# Altium PCB RTD_12POS_WPSv2.PcbDoc (part 2 of 2) (continued)
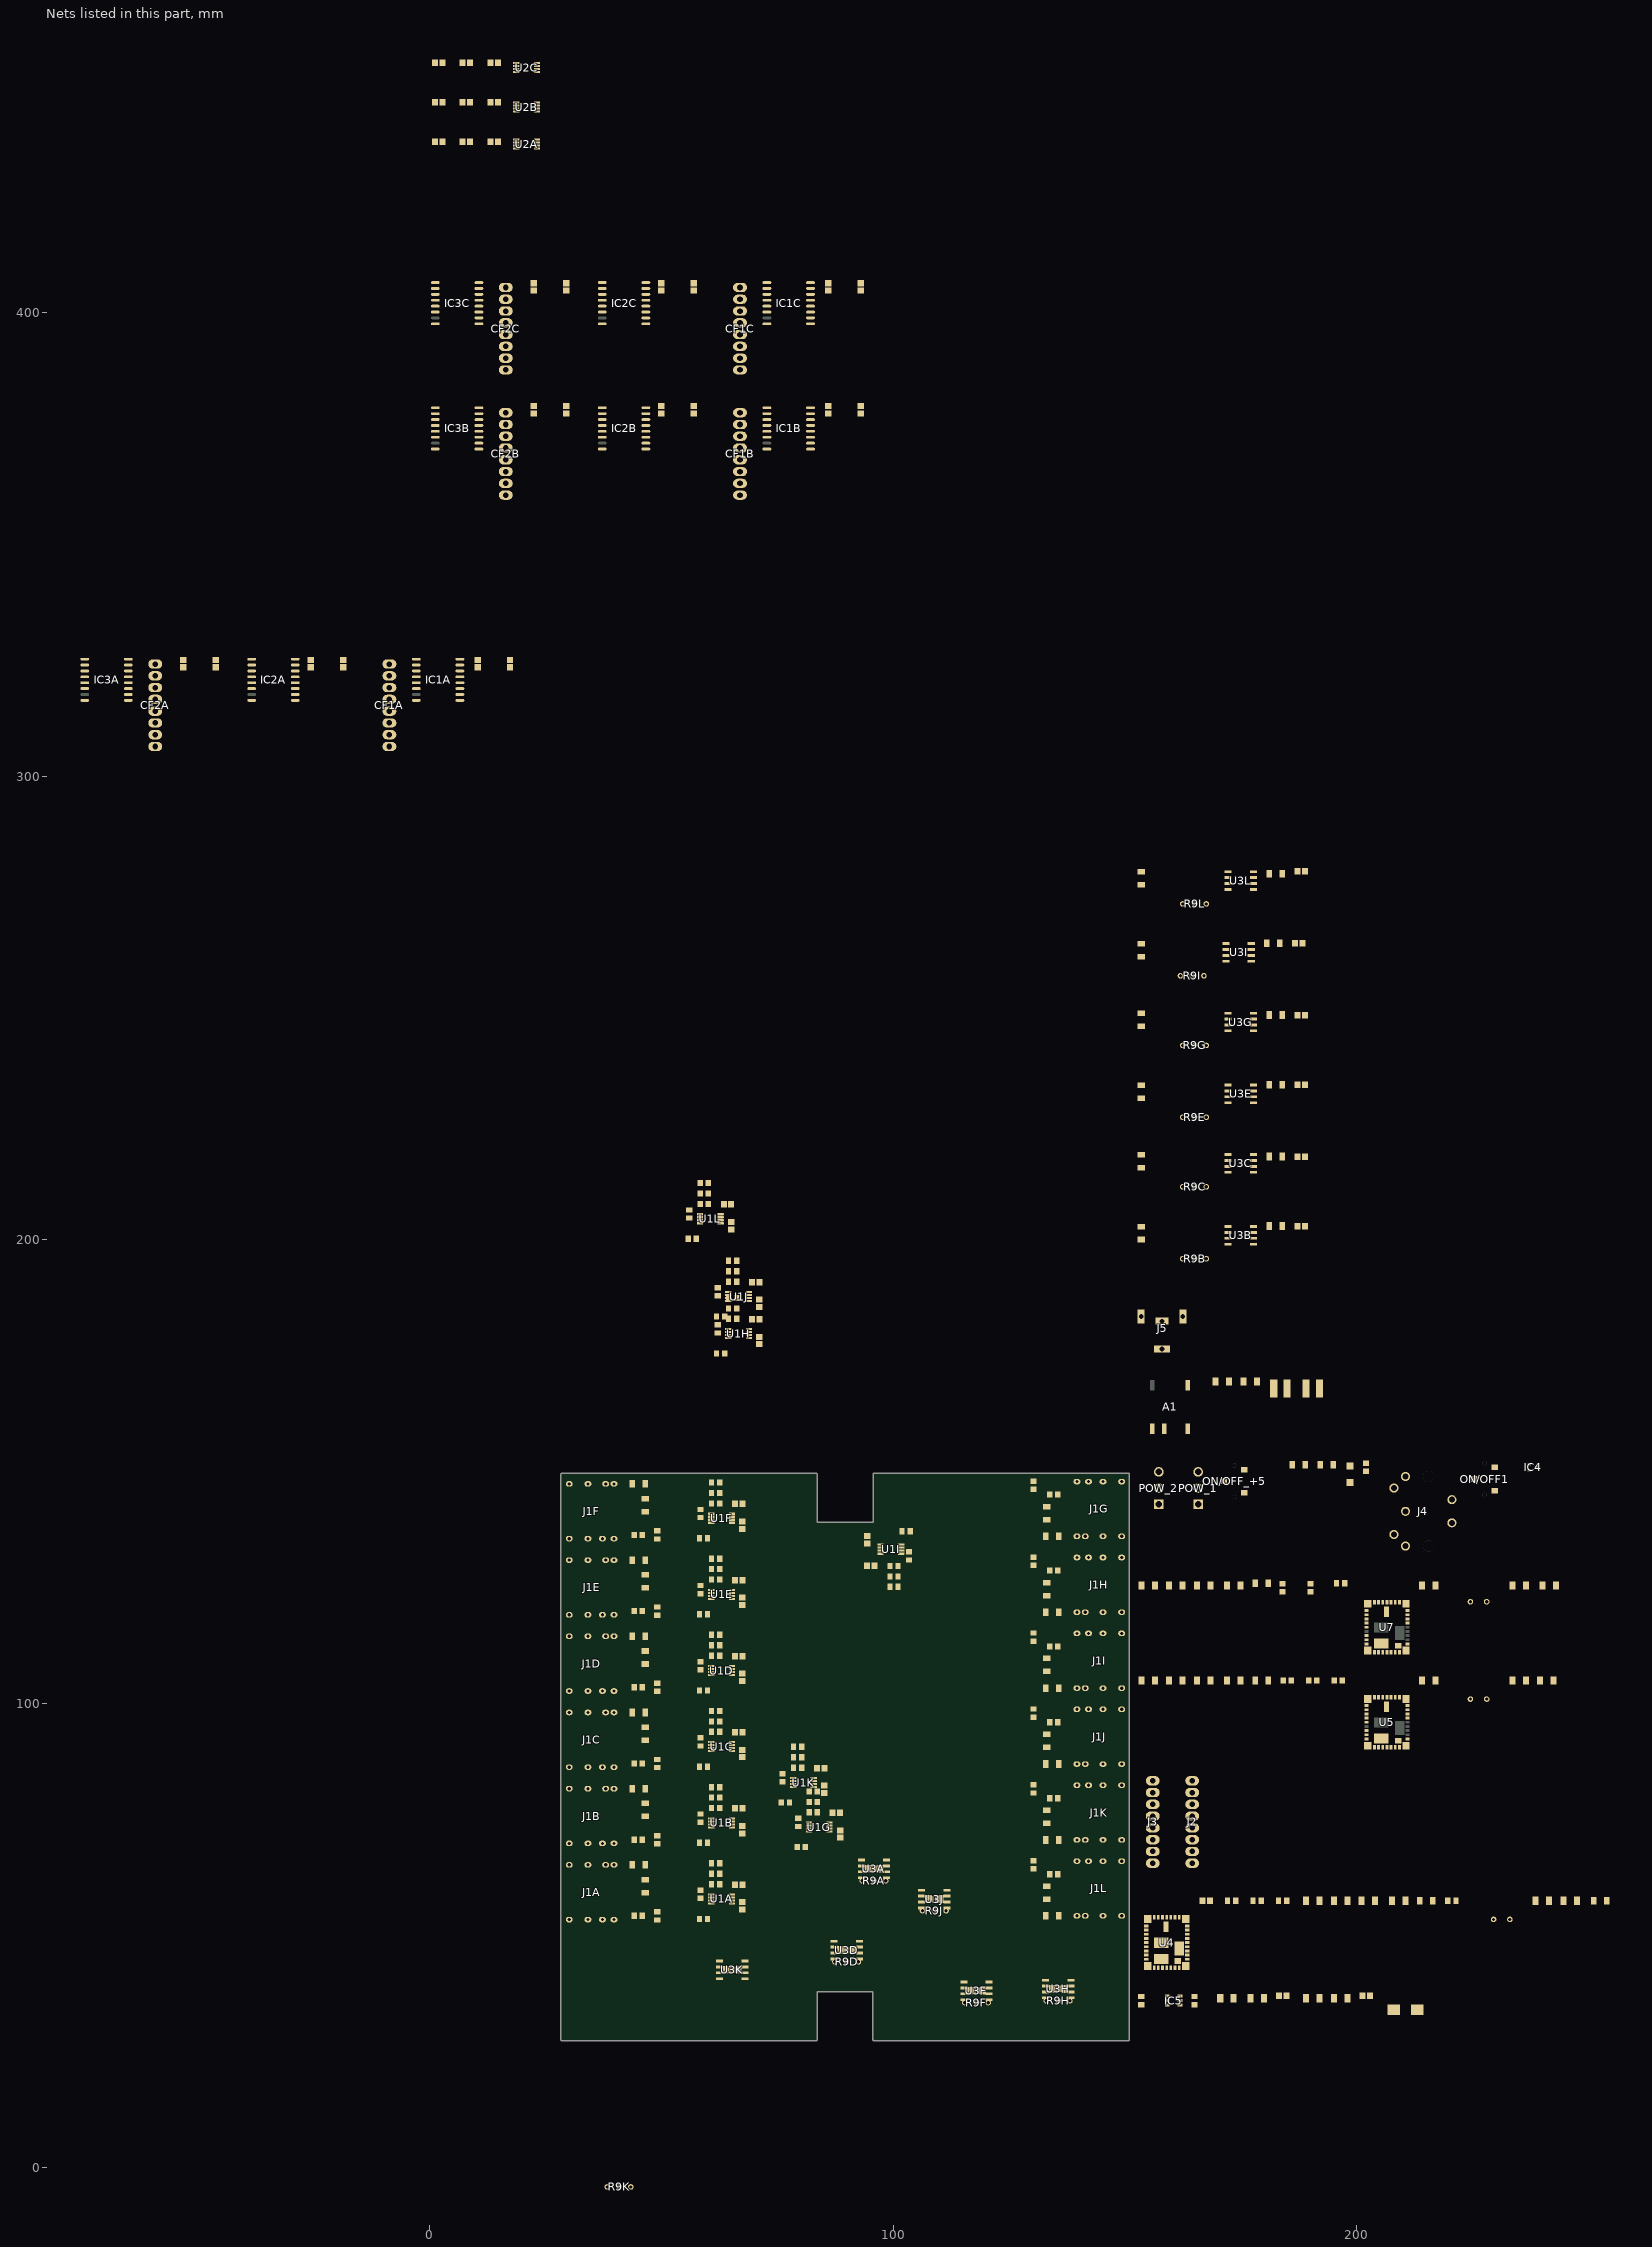
[diagram p2: the nets of this part, all layers, seen from the top]
## Part data (continued)
R4A R4B R4C R4D R4E R4F R4G R4H R4I R4J R4K R4L: library part ERA-6AEB1070V, "RES SMD 107 OHM 0.1% 1/8W 0805", Device Package="0805 (2012 Metric)", Manufacturer="Panasonic Electronic Components", PowerRating="0.125W, 1/8W", Supplier Part Number 1=P107DATR-ND, TemperatureCoefficient=25ppm/C, TemperatureRange="-55C ~ 155C", Tolerance=0.1%, ComponentLink1Description=Datasheet, ComponentLink1URL=http://industrial.panasonic.com/lecs/www-data/pdf/AOA0000/AOA0000CE26.pdf, ComponentLink2Description="Digi-Key listing", ComponentLink2URL=http://digikey.com/product-detail/en/ERA-6AEB1070V/P107DATR-ND/2025576, Part Number=ERA-6AEB1070V, PartId=2810, Price=0.0653, Supplier 1=Digi-Key, Type="Thin Film"
R5A R5B R5C R5D R5E R5F R5G R5H R5I R5J R5K R5L: library part ERA-6AEB1022V, "RES SMD 10.2K OHM 0.1% 1/8W 0805", Device Package="0805 (2012 Metric)", Manufacturer="Panasonic Electronic Components", PowerRating="0.125W, 1/8W", Supplier Part Number 1=P10.2KDATR-ND, TemperatureCoefficient=25ppm/C, TemperatureRange="-55C ~ 155C", Tolerance=0.1%, ComponentLink1Description=Datasheet, ComponentLink1URL=http://industrial.panasonic.com/lecs/www-data/pdf/AOA0000/AOA0000CE26.pdf, ComponentLink2Description="Digi-Key listing", ComponentLink2URL=http://digikey.com/product-detail/en/ERA-6AEB1022V/P10.2KDATR-ND/2025754, Part Number=ERA-6AEB1022V, PartId=2668, Price=0.0653, Supplier 1=Digi-Key, Type="Thin Film"
R6A R6B R6C R6D R6E R6F R6G R6H R6I R6J R6K R6L R7A R7B R7C R7D R7E R7F R7G R7H R7I R7J R7K R7L R14 R15: library part ERJ-6ENF1582V, "RES SMD 15.8K OHM 1% 1/8W 0805", Device Package="0805 (2012 Metric)", Manufacturer="Panasonic Electronic Components", PowerRating="0.125W, 1/8W", Supplier Part Number 1=P15.8KCTR-ND, TemperatureCoefficient=100ppm/C, TemperatureRange="-55C ~ 155C", Tolerance=1%, ComponentLink1Description=Datasheet, ComponentLink1URL=http://industrial.panasonic.com/www-cgi/jvcr13pz.cgi?E+PZ+3+AOA0002+ERJ6ENF1582V+7+WW, ComponentLink2Description="Digi-Key listing", ComponentLink2URL=http://digikey.com/product-detail/en/ERJ-6ENF1582V/P15.8KCTR-ND/6419, Part Number=ERJ-6ENF1582V, PartId=2101, Price=0.0073, Supplier 1=Digi-Key, Type="Thick Film"
R8A R8B R8C R8D R8E R8F R8G R8H R8I R8J R8K R8L R30: library part ERJ-8ENF1001V, "RES SMD 1K OHM 1% 1/4W 1206", Device Package="1206 (3216 Metric)", Manufacturer="Panasonic Electronic Components", PowerRating="0.25W, 1/4W", Supplier Part Number 1=P1.00KFTR-ND, TemperatureCoefficient=100ppm/C, TemperatureRange="-55C ~ 155C", Tolerance=1%, ComponentLink1Description=Datasheet, ComponentLink1URL=http://industrial.panasonic.com/www-cgi/jvcr13pz.cgi?E+PZ+3+AOA0002+ERJ8ENF1001V+7+WW, ComponentLink2Description="Digi-Key listing", ComponentLink2URL=http://digikey.com/product-detail/en/ERJ-8ENF1001V/P1.00KFTR-ND/86206, Part Number=ERJ-8ENF1001V, PartId=2958, Price=0.0093, Supplier 1=Digi-Key, Type="Thick Film"
R9A R9B R9C R9D R9E R9F R9G R9H R9I R9J R9K R9L: library part 91AR20KLF, "TRIMMER 20K OHM 3/8\" CERMET TH", Manufacturer="TT Electronics/BI", PowerRating="0.5W, 1/2W", Supplier Part Number 1=987-1170-ND, Tolerance=20%, Adjustment Type="Top Adjustment", ComponentLink1Description=Datasheet, ComponentLink1URL=http://www.bitechnologies.com/pdfs/91.pdf, ComponentLink2Description="Digi-Key Listing", ComponentLink2URL=http://www.digikey.ca/product-detail/en/91AR20KLF/987-1170-ND/2408748, Number Of Turns=Single, Part Number=91AR20KLF, PartId=7167, Price=2.25, Supplier 1=Digi-Key, Type="Through Hole"
R10A R10B R10C R10D R10E R10F R10G R10H R10I R10J R10K R10L: library part ERJ-8GEYJ514V, "RES SMD 510K OHM 5% 1/4W 1206", Device Package="1206 (3216 Metric)", Manufacturer="Panasonic Electronic Components", PowerRating="0.25W, 1/4W", Supplier Part Number 1=P510KETR-ND, TemperatureCoefficient=200ppm/C, TemperatureRange="-55C ~ 155C", Tolerance=5%, ComponentLink1Description=Datasheet, ComponentLink1URL=http://industrial.panasonic.com/www-cgi/jvcr13pz.cgi?E+PZ+3+AOA0001+ERJ8GEYJ514V+7+WW, ComponentLink2Description="Digi-Key Listing", ComponentLink2URL=https://www.digikey.com/product-detail/en/panasonic-electronic-components/ERJ-8GEYJ514V/P510KETR-ND/21336, Part Number=ERJ-8GEYJ514V, PartId=11855, Price=0.0045, Supplier 1=Digi-Key
R11 R20 R24 R27A R27B R27C R27D R27E R27F R27G R27H R27I R27J R27K R27L R28A R28B R28C R28D R28E R28F R28G R28H R28I R28J R28K R28L R31: library part ERJ-8GEY0R00V, "RES SMD 0.0 OHM JUMPER 1/4W 1206", Device Package="1206 (3216 Metric)", Manufacturer="Panasonic Electronic Components", PowerRating="0.25W, 1/4W", Supplier Part Number 1=P0.0ETR-ND, TemperatureRange="-55C ~ 155C", Tolerance=Jumper, ComponentLink1Description=Datasheet, ComponentLink1URL=http://industrial.panasonic.com/www-cgi/jvcr13pz.cgi?E+PZ+3+AOA0001+ERJ8GEY0R00V+7+WW, ComponentLink2Description="Digi-Key Listing", ComponentLink2URL=https://www.digikey.com/product-detail/en/panasonic-electronic-components/ERJ-8GEY0R00V/P0.0ETR-ND/27495, Part Number=ERJ-8GEY0R00V, PartId=16165, Price=0.0067, Supplier 1=Digi-Key
R12 R17 R21: library part ERJ-6ENF1743V, "RES SMD 174K OHM 1% 1/8W 0805", Device Package="0805 (2012 Metric)", Manufacturer="Panasonic Electronic Components", PowerRating="0.125W, 1/8W", Supplier Part Number 1=P174KCTR-ND, TemperatureCoefficient=100ppm/C, TemperatureRange="-55C ~ 155C", Tolerance=1%, ComponentLink1Description=Datasheet, ComponentLink1URL=http://industrial.panasonic.com/www-cgi/jvcr13pz.cgi?E+PZ+3+AOA0002+ERJ6ENF1743V+7+WW, ComponentLink2Description="Digi-Key listing", ComponentLink2URL=http://digikey.com/product-detail/en/ERJ-6ENF1743V/P174KCTR-ND/111921, Part Number=ERJ-6ENF1743V, PartId=2344, Price=0.0073, Supplier 1=Digi-Key, Type="Thick Film"
R13: library part ERJ-8ENF2673V, "RES SMD 267K OHM 1% 1/4W 1206", Device Package="1206 (3216 Metric)", Manufacturer="Panasonic Electronic Components", PowerRating="0.25W, 1/4W", Supplier Part Number 1=P267KFTR-ND, TemperatureCoefficient=100ppm/C, TemperatureRange="-55C ~ 155C", Tolerance=1%, ComponentLink1Description=Datasheet, ComponentLink1URL=http://industrial.panasonic.com/www-cgi/jvcr13pz.cgi?E+PZ+3+AOA0002+ERJ8ENF2673V+7+WW, ComponentLink2Description="Digi-Key listing", ComponentLink2URL=http://digikey.com/product-detail/en/ERJ-8ENF2673V/P267KFTR-ND/89429, Part Number=ERJ-8ENF2673V, PartId=3280, Price=0.0093, Supplier 1=Digi-Key, Type="Thick Film"
R16 R23: library part ERJ-6ENF1403V, "RES SMD 140K OHM 1% 1/8W 0805", Device Package="0805 (2012 Metric)", Manufacturer="Panasonic Electronic Components", PowerRating="0.125W, 1/8W", Supplier Part Number 1=P140KCTR-ND, TemperatureCoefficient=100ppm/C, TemperatureRange="-55C ~ 155C", Tolerance=1%, ComponentLink1Description=Datasheet, ComponentLink1URL=http://industrial.panasonic.com/www-cgi/jvcr13pz.cgi?E+PZ+3+AOA0002+ERJ6ENF1403V+7+WW, ComponentLink2Description="Digi-Key listing", ComponentLink2URL=http://digikey.com/product-detail/en/ERJ-6ENF1403V/P140KCTR-ND/111888, Part Number=ERJ-6ENF1403V, PartId=2209, Price=0.0073, Supplier 1=Digi-Key, Type="Thick Film"
R18 R22: library part ERJ-6ENF2432V, "RES SMD 24.3K OHM 1% 1/8W 0805", Device Package="0805 (2012 Metric)", Manufacturer="Panasonic Electronic Components", PowerRating="0.125W, 1/8W", Supplier Part Number 1=P24.3KCTR-ND, TemperatureCoefficient=100ppm/C, TemperatureRange="-55C ~ 155C", Tolerance=1%, ComponentLink1Description=Datasheet, ComponentLink1URL=http://industrial.panasonic.com/www-cgi/jvcr13pz.cgi?E+PZ+3+AOA0002+ERJ6ENF2432V+7+WW, ComponentLink2Description="Digi-Key listing", ComponentLink2URL=http://digikey.com/product-detail/en/ERJ-6ENF2432V/P24.3KCTR-ND/111548, Part Number=ERJ-6ENF2432V, PartId=2331, Price=0.0073, Supplier 1=Digi-Key, Type="Thick Film"
R19: library part ERJ-6ENF5232V, "RES SMD 52.3K OHM 1% 1/8W 0805", Device Package="0805 (2012 Metric)", Manufacturer="Panasonic Electronic Components", PowerRating="0.125W, 1/8W", Supplier Part Number 1=P52.3KCTR-ND, TemperatureCoefficient=100ppm/C, TemperatureRange="-55C ~ 155C", Tolerance=1%, ComponentLink1Description=Datasheet, ComponentLink1URL=http://industrial.panasonic.com/www-cgi/jvcr13pz.cgi?E+PZ+3+AOA0002+ERJ6ENF5232V+7+WW, ComponentLink2Description="Digi-Key listing", ComponentLink2URL=http://digikey.com/product-detail/en/ERJ-6ENF5232V/P52.3KCTR-ND/111615, Part Number=ERJ-6ENF5232V, PartId=2052, Price=0.0073, Supplier 1=Digi-Key, Type="Thick Film"
R25: library part ERJ-P06D5492V, "RES SMD 54.9K OHM 0.5% 1/2W 0805", Device Package="0805 (2012 Metric)", Manufacturer="Panasonic Electronic Components", PowerRating="0.5W, 1/2W", Supplier Part Number 1=P16052TR-ND, TemperatureCoefficient=100ppm/C, TemperatureRange="-55C ~ 155C", Tolerance=0.5%, ComponentLink1Description=Datasheet, ComponentLink1URL=//media.digikey.com/pdf/Data%20Sheets/Panasonic%20Electronic%20Components/ERJ_PA2_P03_PA3_P06_P08_P14.pdf, ComponentLink2Description="Digi-Key Listing", ComponentLink2URL=https://www.digikey.com/product-detail/en/panasonic-electronic-components/ERJ-P06D5492V/P16052TR-ND/3982693, Part Number=ERJ-P06D5492V, PartId=12299, Price=0.0342, Supplier 1=Digi-Key
R26 R29: library part ERJ-P06F1002V, "RES SMD 10K OHM 1% 1/2W 0805", Device Package="0805 (2012 Metric)", Manufacturer="Panasonic Electronic Components", PowerRating="0.5W, 1/2W", Supplier Part Number 1=P16059TR-ND, TemperatureCoefficient=100ppm/C, TemperatureRange="-55C ~ 155C", Tolerance=1%, ComponentLink1Description=Datasheet, ComponentLink1URL=//media.digikey.com/pdf/Data%20Sheets/Panasonic%20Electronic%20Components/ERJ_PA2_P03_PA3_P06_P08_P14.pdf, ComponentLink2Description="Digi-Key Listing", ComponentLink2URL=https://www.digikey.com/product-detail/en/panasonic-electronic-components/ERJ-P06F1002V/P16059TR-ND/3982700, Part Number=ERJ-P06F1002V, PartId=12237, Price=0.0192, Supplier 1=Digi-Key
U1A U1B U1C U1D U1E U1F U1G U1H U1I U1J U1K U1L: library part CMP-0944-00060-2, "Precision, 200-uA Supply Current, 36-V Supply Instrumentation Amplifier, -40 to 125 degC, 8-pin SOP (DGK8), Green (RoHS & no Sb/Br)", Input Bias Current (+/-)(Max)(nA)=65, Manufacturer="Texas Instruments", Quiescent Current (+/-)(Typ)(mA)=0.2, CMRR(Min)(dB)=84, Code_JEDEC=MO-187, ComponentLink1Description="Manufacturer URL", ComponentLink1URL=http://www.ti.com/, ComponentLink2Description=Datasheet, ComponentLink2URL=http://www.ti.com/general/docs/lit/getliterature.tsp?genericPartNumber=INA826&fileType=pdf, ComponentLink3Description="Package Specification", ComponentLink3URL=http://www.ti.com/litv/pdf/mpds028d, DatasheetVersion=SBOS562E, Eco-Plan="Green (RoHS & no Sb/Br)", Gain(V/V)="1 to 1000", Input Offset (+/-)(Max)(uV)=150, Input Offset Drift (+/-)(Max)(uV/Degrees Celsius)=2, Mounting Technology="Surface Mount", Noise at 1kHz(Typ)(nV/rt(Hz))=18, Non-Linearity (+/-)(Max)(%)=0.0005, Number of Channels=1, Output Offset (+/-)(Max)(uV)=700, Output Offset Drift (+/-)(Max)(uV/Degrees Celsius)=10, PackageDescription="8-Pin Thin Small Outline, Body 3 x 3 mm, Pitch 0.65 mm", PackageReference=DGK0008A, PackageVersion="4073329/E, 05/2006", PartNumber=INA826AIDGKR, SubFamily="Single Supply", Vs(Max)(V)=36, Vs(Min)(V)=2.7
U2A U2B U2C: library part CMP-0367-00254-2, "Low Noise, Very Low Drift, Precision Voltage Reference, -40 to 125 degC, 8-pin VSSOP (DGK), Green (RoHS & no Sb/Br)", Manufacturer="Texas Instruments", Rating=Catalog, Temp Coeff(Max)(ppm/ degree C)=3, Code_JEDEC=MO-187, ComponentLink1Description="Manufacturer URL", ComponentLink1URL=http://www.ti.com/, ComponentLink2Description=Datasheet, ComponentLink2URL=http://www.ti.com/general/docs/lit/getliterature.tsp?genericPartNumber=REF5050&fileType=pdf, ComponentLink3Description="Package Specification", ComponentLink3URL=http://www.ti.com/litv/pdf/mpds028d, DatasheetVersion=SBOS410E, Eco-Plan="Green (RoHS & no Sb/Br)", Initial Accuracy @ 25/deg C(%)=0.05, Iout/Iz(Max)(mA)=10, Iq(Max)(uA)=1000, Mounting Technology="Surface Mount", PackageDescription="8-Pin Thin Small Outline Package 3 x 3 mm Body ,0.65 mm Pitch", PackageReference=DGK0008A, PackageVersion=4073329/E, PartNumber=REF5050IDGKT, SubFamily="Series Voltage Reference", VI(Max)(V)=18, VI(Min)(V)=5.2, VO(V)=5
U3A U3B U3C U3D U3E U3F U3G U3H U3I U3J U3K U3L: library part CMP-1305-00058-1, "Single Comparator, 5 to 30 V, 0 to 70 degC, 8-Pin SOIC, Pb-Free, Tape and Reel", Manufacturer="On Semiconductor", ComponentLink1Description="Manufacturer URL", ComponentLink1URL=http://www.onsemi.com/, ComponentLink2Description=Datasheet, ComponentLink2URL=http://www.onsemi.com/pub_link/Collateral/LM211-D.PDF, ComponentLink3Description="Package Specification", ComponentLink3URL=http://www.onsemi.com/pub_link/Collateral/751-07.PDF, DatasheetVersion="Rev. 6", ICC Typ (mA)=2.4, Mounting Technology="Surface Mount", PackageDescription="8-Pin Small Outline Integrated Circuit, Body 4.9 x 3.9 mm, Pitch 1.27 mm", PackageReference=SOIC-8-751-07, PackageVersion="Rev. AK, 02/2011", Packing="Tape and Reel", PartNumber=LM311DR2G, RoHS=TRUE, VCC Max (V)=30, VCC Min (V)=5
U4: "DC DC CONVERTER 2.5-15V 38W", Current Output=2.5A, Device Package="41-B1QFN (11x9)", Frequency - Switching=800kHz, Manufacturer="Texas Instruments", Manufacturer_Part_Number=LMZ34002RKGT, Operating Temperature="-40°C ~ 85°C", Supplier Part Number 1=296-43647-1-ND, Voltage - Input (Max)=50V, Voltage - Input (Min)=7V, Voltage - Output (Max)=15V, Voltage - Output (Min/Fixed)=2.5V, Built_By=EMA_UL_Team, ComponentLink1Description=Datasheet, ComponentLink1URL=http://www.ti.com/lit/ds/symlink/lmz35003.pdf, ComponentLink2Description="Digi-Key Listing", ComponentLink2URL=https://www.digikey.com/product-detail/en/texas-instruments/LMZ35003RKGR/296-43647-1-ND/5864851, Copyright="Copyright (C) 2018 Accelerated Designs. All rights reserved", Number Of Outputs=1, Output Configuration=Positive, Output Type=Adjustable, Part Number=LMZ34003, PartId=16768, Price=11.89, RefDes=RefDes, Series="SIMPLE SWITCHER®", Supplier 1=Digi-Key, Synchronous Rectifier=No, Topology="Buck, Buck-Boost", Type="Non-Isolated PoL Module", Vendor="Texas Instruments"
U5: "No Description Available", Built_By=EMA_UL_Team, Copyright="Copyright (C) 2018 Accelerated Designs. All rights reserved", Manufacturer_Part_Number=LMZ34002RKGT, RefDes=RefDes, Type=DEV, Vendor="Texas Instruments"
U7: "No Description Available", Supplier Part Number 1=296-37033-1-ND, Built_By=EMA_UL_Team, Copyright="Copyright (C) 2018 Accelerated Designs. All rights reserved", Manufacturer_Part_Number=LMZ34002RKGT, RefDes=RefDes, Supplier 1=Digi-Key, Type=DEV, Vendor="Texas Instruments"

## Nets (pads, with @x,y where several pads share a name; then routed paths per layer and width w, separated by ;. In a path a pad name is that pad's centre, name@x,y a point inside that pad or via, vN(x,y) a via of type N, cw(c..) or ccw(c..) an arc to the next point about the centre after c; other vN are vias at no path point)
+5: C6A.1 C6B.1 C6C.1 C6D.1 C6E.1 C6F.1 C6G.1 C6H.1 C6I.1 C6J.1 C6K.1 C6L.1 C15A.1 C15B.1 C15C.1 C17A.1 C17B.1 C17C.1 C19A.1 C19B.1 C19C.1 C41.2 C42.2 C44.2 IC1A.1 IC1B.1 IC1C.1 IC2A.1 IC2B.1 IC2C.1 IC3A.1 IC3B.1 IC3C.1 J1A.4 J1B.4 J1C.4 J1D.4 J1E.4 J1F.4 J1G.4 J1H.4 J1I.4 J1J.4 J1K.4 J1L.4 J4.2 L1.2 L2.1 ON/OFF1.3 POW_2.1 R6A.1 R6B.1 R6C.1 R6D.1 R6E.1 R6F.1 R6G.1 R6H.1 R6I.1 R6J.1 R6K.1 R6L.1 R8A.2 R8B.2 R8C.2 R8D.2 R8E.2 R8F.2 R8G.2 R8H.2 R8I.2 R8J.2 R8K.2 R8L.2 R15.1 R25.2 R29.2 U3A.8 U3B.8 U3C.8 U3D.8 U3E.8 U3F.8 U3G.8 U3H.8 U3I.8 U3J.8 U3K.8 U3L.8
+5_OUT: C16A.1 C16B.1 C16C.1 C18A.1 C18B.1 C18C.1 C20A.1 C20B.1 C20C.1 C43.1 IC1A.10 IC1A.16 IC1B.10 IC1B.16 IC1C.10 IC1C.16 IC2A.10 IC2A.16 IC2B.10 IC2B.16 IC2C.10 IC2C.16 IC3A.10 IC3A.16 IC3B.10 IC3B.16 IC3C.10 IC3C.16 L3.2
+12: C1A.1 C1B.1 C1C.1 C1D.1 C1E.1 C1F.1 C1G.1 C1H.1 C1I.1 C1J.1 C1K.1 C1L.1 C3A.2 C3B.2 C3C.2 C10.2 C11.2 C12.2 C13.2 J4.1 POW_1.1 R16.2 U1A.8 U1B.8 U1C.8 U1D.8 U1E.8 U1F.8 U1G.8 U1H.8 U1I.8 U1J.8 U1K.8 U1L.8 U2A.2 U2B.2 U2C.2 U4.10 U4.11 U4.12 U4.13 U4.14 U4.15 U4.39
-5: C24.1 C25.2 C26.2 C27.2 C28.2 J4.4 POW_2.3 R20.2 U5.16 U5.17 U5.18 U5.19 U5.20 U5.40
-5A: R18.1 U5.1 U5.4 U5.5 U5.29 U5.30 U5.32 U5.33 U5.34 U5.37
-12: C2A.2 C2B.2 C2C.2 C2D.2 C2E.2 C2F.2 C2G.2 C2H.2 C2I.2 C2J.2 C2K.2 C2L.2 C32.1 C33.2 C34.2 C35.2 C36.2 J4.5 POW_1.3 R24.2 U1A.5 U1B.5 U1C.5 U1D.5 U1E.5 U1F.5 U1G.5 U1H.5 U1I.5 U1J.5 U1K.5 U1L.5 U7.16 U7.17 U7.18 U7.19 U7.20 U7.40
-12A: R22.1 R24.1 U7.1 U7.4 U7.5 U7.8 U7.9 U7.29 U7.30 U7.32 U7.33 U7.34 U7.37
AGND: C14.1 R11.2 R13.1 R14.1 U4.1 U4.4 U4.5 U4.29 U4.30 U4.32 U4.33 U4.34 U4.37
CF_OUT1A: CF1A.8 IC1A.14
CF_OUT1B: CF1B.8 IC1B.14
CF_OUT1C: CF1C.8 IC1C.14
CF_OUT2A: CF1A.7 IC1A.13
CF_OUT2B: CF1B.7 IC1B.13
CF_OUT2C: CF1C.7 IC1C.13
CF_OUT3A: CF1A.6 IC1A.12
CF_OUT3B: CF1B.6 IC1B.12
CF_OUT3C: CF1C.6 IC1C.12
CF_OUT4A: CF1A.5 IC1A.11
CF_OUT4B: CF1B.5 IC1B.11
CF_OUT4C: CF1C.5 IC1C.11
CF_OUT5A: CF1A.4 IC2A.14
CF_OUT5B: CF1B.4 IC2B.14
CF_OUT5C: CF1C.4 IC2C.14
CF_OUT6A: CF1A.3 IC2A.13
CF_OUT6B: CF1B.3 IC2B.13
CF_OUT6C: CF1C.3 IC2C.13
CF_OUT7A: CF2A.8 IC2A.12
CF_OUT7B: CF2B.8 IC2B.12
CF_OUT7C: CF2C.8 IC2C.12
CF_OUT8A: CF2A.7 IC2A.11
CF_OUT8B: CF2B.7 IC2B.11
CF_OUT8C: CF2C.7 IC2C.11
CF_OUT9A: CF2A.6 IC3A.14
CF_OUT9B: CF2B.6 IC3B.14
CF_OUT9C: CF2C.6 IC3C.14
CF_OUT10A: CF2A.5 IC3A.13
CF_OUT10B: CF2B.5 IC3B.13
CF_OUT10C: CF2C.5 IC3C.13
CF_OUT11A: CF2A.4 IC3A.12
CF_OUT11B: CF2B.4 IC3B.12
CF_OUT11C: CF2C.4 IC3C.12
CF_OUT12A: CF2A.3 IC3A.11
CF_OUT12B: CF2B.3 IC3B.11
CF_OUT12C: CF2C.3 IC3C.11
CFA1: IC1C.3 R8B.1 R10B.2 U3B.7
CFA2: IC1C.4 R8D.1 R10D.2 U3D.7
CFA3: IC1C.5 R8F.1 R10F.2 U3F.7
CFA4: IC1C.6 R8H.1 R10H.2 U3H.7
CFA5: IC2C.3 R8J.1 R10J.2 U3J.7
CFA6: IC2C.4 R8L.1 R10L.2 U3L.7
CFB1: IC2C.5 R8A.1 R10A.2 U3A.7
CFB2: IC2C.6 R8C.1 R10C.2 U3C.7
CFB3: IC3C.3 R8E.1 R10E.2 U3E.7
CFB4: IC3C.4 R8G.1 R10G.2 U3G.7
CFB5: IC3C.5 R8I.1 R10I.2 U3I.7
CFB6: IC3C.6 R8K.1 R10K.2 U3K.7
CONNGD+1: IC1A.3 R28A.2
CONNGD+2: IC1A.4 R28B.2
CONNGD+3: IC1A.5 R28C.2
CONNGD+4: IC1A.6 R28D.2
CONNGD+5: IC2A.3 R28E.2
CONNGD+6: IC2A.4 R28F.2
CONNGD+7: IC2A.5 R28G.2
CONNGD+8: IC2A.6 R28H.2
CONNGD+9: IC3A.3 R28I.2
CONNGD+10: IC3A.4 R28J.2
CONNGD+11: IC3A.5 R28K.2
CONNGD+12: IC3A.6 R28L.2
CONNGD-1: IC1B.3 R27A.2
CONNGD-2: IC1B.4 R27B.2
CONNGD-3: IC1B.5 R27C.2
CONNGD-4: IC1B.6 R27D.2
CONNGD-5: IC2B.3 R27E.2
CONNGD-6: IC2B.4 R27F.2
CONNGD-7: IC2B.5 R27G.2
CONNGD-8: IC2B.6 R27H.2
CONNGD-9: IC3B.3 R27I.2
CONNGD-10: IC3B.4 R27J.2
CONNGD-11: IC3B.5 R27K.2
CONNGD-12: IC3B.6 R27L.2
DGND_Out: A1.7 C16A.2 C16B.2 C16C.2 C18A.2 C18B.2 C18C.2 C20A.2 C20B.2 C20C.2 C43.2 CF1A.1 CF1A.2 CF1B.1 CF1B.2 CF1C.1 CF1C.2 CF2A.1 CF2A.2 CF2B.1 CF2B.2 CF2C.1 CF2C.2 IC1A.9 IC1A.15 IC1B.9 IC1B.15 IC1C.9 IC1C.15 IC2A.9 IC2A.15 IC2B.9 IC2B.15 IC2C.9 IC2C.15 IC3A.9 IC3A.15 IC3B.9 IC3B.15 IC3C.9 IC3C.15
GND: A1.1 C3A.1 C3B.1 C3C.1 C4A.1 C4B.1 C4C.1 C5A.1 C5B.1 C5C.1 C6A.2 C6B.2 C6C.2 C6D.2 C6E.2 C6F.2 C6G.2 C6H.2 C6I.2 C6J.2 C6K.2 C6L.2 C7.2 C8.2 C9.2 C10.1 C11.1 C12.1 C13.1 C15A.2 C15B.2 C15C.2 C17A.2 C17B.2 C17C.2 C19A.2 C19B.2 C19C.2 C21.2 C22.2 C23.2 C25.1 C26.1 C27.1 C28.1 C29.2 C30.2 C31.2 C33.1 C34.1 C35.1 C36.1 C38.1 C39.1 C40.1 C41.1 C42.1 C44.1 D1.2 IC1A.2 IC1A.8 IC1B.2 IC1B.8 IC1C.2 IC1C.8 IC2A.2 IC2A.8 IC2B.2 IC2B.8 IC2C.2 IC2C.8 IC3A.2 IC3A.8 IC3B.2 IC3B.8 IC3C.2 IC3C.8 IC4.3 IC5.1 J2.7 J2.8 J3.7 J3.8 J4.3 J4.S1 J4.S2 J5.2 J5.3 J5.4 ON/OFF1.1 ON/OFF_+5.1 POW_1.2 POW_2.2 R7A.1 R7B.1 R7C.1 R7D.1 R7E.1 R7F.1 R7G.1 R7H.1 R7I.1 R7J.1 R7K.1 R7L.1 R9A.1 R9B.1 R9C.1 R9D.1 R9E.1 R9F.1 R9G.1 R9H.1 R9I.1 R9J.1 R9K.1 R9L.1 R11.1 R19.2 R23.2 R26.1 U2A.4 U2B.4 U2C.4 U3A.1 U3A.4 U3B.1 U3B.4 U3C.1 U3C.4 U3D.1 U3D.4 U3E.1 U3E.4 U3F.1 U3F.4 U3G.1 U3G.4 U3H.1 U3H.4 U3I.1 U3I.4 U3J.1 U3J.4 U3K.1 U3K.4 U3L.1 U3L.4 U4.8 U4.9 U4.16 U4.17 U4.18 U4.19 U4.20 U4.40 U5.10 U5.11 U5.12 U5.13 U5.14 U5.15 U5.39 U7.10 U7.11 U7.12 U7.13 U7.14 U7.15 U7.39
NetA1_3: A1.3 L2.2
NetA1_8: A1.8 L3.1
NetC4A_2: C4A.2 U2A.5
NetC4B_2: C4B.2 U2B.5
NetC4C_2: C4C.2 U2C.5
NetC14_2: C14.2 U4.28
NetC37_1: C37.1 IC5.6
NetC37_2: C37.2 IC5.2 L1.1
NetD1_1: D1.1 R30.1
NetIC4_1: IC4.1 ON/OFF1.2
NetIC5_4: IC5.4 R25.1 R26.2
NetIC5_5: IC5.5 ON/OFF_+5.2
NetJ1A_5: J1A.5 R7A.2 R28A.1
NetJ1A_6: J1A.6 R6A.2 R27A.1
NetJ1B_5: J1B.5 R7B.2 R28B.1
NetJ1B_6: J1B.6 R6B.2 R27B.1
NetJ1C_5: J1C.5 R7C.2 R28C.1
NetJ1C_6: J1C.6 R6C.2 R27C.1
NetJ1D_5: J1D.5 R7D.2 R28D.1
NetJ1D_6: J1D.6 R6D.2 R27D.1
NetJ1E_5: J1E.5 R7E.2 R28E.1
NetJ1E_6: J1E.6 R6E.2 R27E.1
NetJ1F_5: J1F.5 R7F.2 R28F.1
NetJ1F_6: J1F.6 R6F.2 R27F.1
NetJ1G_5: J1G.5 R7G.2 R28G.1
NetJ1G_6: J1G.6 R6G.2 R27G.1
NetJ1H_5: J1H.5 R7H.2 R28H.1
NetJ1H_6: J1H.6 R6H.2 R27H.1
NetJ1I_5: J1I.5 R7I.2 R28I.1
NetJ1I_6: J1I.6 R6I.2 R27I.1
NetJ1J_5: J1J.5 R7J.2 R28J.1
NetJ1J_6: J1J.6 R6J.2 R27J.1
NetJ1K_5: J1K.5 R7K.2 R28K.1
NetJ1K_6: J1K.6 R6K.2 R27K.1
NetJ1L_5: J1L.5 R7L.2 R28L.1
NetJ1L_6: J1L.6 R6L.2 R27L.1
NetR1A_1: R1A.1 R4A.2 R5A.2 U1A.1
NetR1B_1: R1B.1 R4B.2 R5B.2 U1B.1
NetR1C_1: R1C.1 R4C.2 R5C.2 U1C.1
NetR1D_1: R1D.1 R4D.2 R5D.2 U1D.1
NetR1E_1: R1E.1 R4E.2 R5E.2 U1E.1
NetR1F_1: R1F.1 R4F.2 R5F.2 U1F.1
NetR1G_1: R1G.1 R4G.2 R5G.2 U1G.1
NetR1H_1: R1H.1 R4H.2 R5H.2 U1H.1
NetR1I_1: R1I.1 R4I.2 R5I.2 U1I.1
NetR1J_1: R1J.1 R4J.2 R5J.2 U1J.1
NetR1K_1: R1K.1 R4K.2 R5K.2 U1K.1
NetR1L_1: R1L.1 R4L.2 R5L.2 U1L.1
NetR3A_1: R3A.1 U1A.3
NetR3A_2: R3A.2 U1A.2
NetR3B_1: R3B.1 U1B.3
NetR3B_2: R3B.2 U1B.2
NetR3C_1: R3C.1 U1C.3
NetR3C_2: R3C.2 U1C.2
NetR3D_1: R3D.1 U1D.3
NetR3D_2: R3D.2 U1D.2
NetR3E_1: R3E.1 U1E.3
NetR3E_2: R3E.2 U1E.2
NetR3F_1: R3F.1 U1F.3
NetR3F_2: R3F.2 U1F.2
NetR3G_1: R3G.1 U1G.3
NetR3G_2: R3G.2 U1G.2
NetR3H_1: R3H.1 U1H.3
NetR3H_2: R3H.2 U1H.2
NetR3I_1: R3I.1 U1I.3
NetR3I_2: R3I.2 U1I.2
NetR3J_1: R3J.1 U1J.3
NetR3J_2: R3J.2 U1J.2
NetR3K_1: R3K.1 U1K.3
NetR3K_2: R3K.2 U1K.2
NetR3L_1: R3L.1 U1L.3
NetR3L_2: R3L.2 U1L.2
NetR9A_2: R9A.2 R10A.1 U3A.2
NetR9B_2: R9B.2 R10B.1 U3B.2
NetR9C_2: R9C.2 R10C.1 U3C.2
NetR9D_2: R9D.2 R10D.1 U3D.2
NetR9E_2: R9E.2 R10E.1 U3E.2
NetR9F_2: R9F.2 R10F.1 U3F.2
NetR9G_2: R9G.2 R10G.1 U3G.2
NetR9H_2: R9H.2 R10H.1 U3H.2
NetR9I_2: R9I.2 R10I.1 U3I.2
NetR9J_2: R9J.2 R10J.1 U3J.2
NetR9K_2: R9K.2 R10K.1 U3K.2
NetR9L_2: R9L.2 R10L.1 U3L.2
NetR13_2: R13.2 U4.31
NetR15_2: R15.2 R31.1 U4.35
NetR16_1: R16.1 U4.36
NetR17_1: R17.1 R18.2 U5.27
NetR17_2: R17.2
NetR19_1: R19.1 U5.36
NetR20_1: R20.1 U5.8 U5.9
NetR21_1: R21.1 R22.2 U7.27
NetR21_2: R21.2
NetR23_1: R23.1 U7.36
NetR29_1: R29.1 R30.2 R31.2
NetU2A_1: U2A.1
NetU2A_3: U2A.3
NetU2A_7: U2A.7
NetU2A_8: U2A.8
NetU2B_1: U2B.1
NetU2B_3: U2B.3
NetU2B_7: U2B.7
NetU2B_8: U2B.8
NetU2C_1: U2C.1
NetU2C_3: U2C.3
NetU2C_7: U2C.7
NetU2C_8: U2C.8
NetU3A_5: U3A.5
NetU3A_6: U3A.6
NetU3B_5: U3B.5
NetU3B_6: U3B.6
NetU3C_5: U3C.5
NetU3C_6: U3C.6
NetU3D_5: U3D.5
NetU3D_6: U3D.6
NetU3E_5: U3E.5
NetU3E_6: U3E.6
NetU3F_5: U3F.5
NetU3F_6: U3F.6
NetU3G_5: U3G.5
NetU3G_6: U3G.6
NetU3H_5: U3H.5
NetU3H_6: U3H.6
NetU3I_5: U3I.5
NetU3I_6: U3I.6
NetU3J_5: U3J.5
NetU3J_6: U3J.6
NetU3K_5: U3K.5
NetU3K_6: U3K.6
NetU3L_5: U3L.5
NetU3L_6: U3L.6
NetU4_2: U4.2
NetU4_3: U4.3
NetU4_6: U4.6
NetU4_7: U4.7
NetU4_21: U4.21
NetU4_22: U4.22
NetU4_23: U4.23
NetU4_24: U4.24
NetU4_25: U4.25
NetU4_38: U4.38
NetU4_41: U4.41
NetU5_2: U5.2
NetU5_3: U5.3
NetU5_6: U5.6
NetU5_25: U5.25
NetU5_28: U5.28
NetU5_31: U5.31
NetU5_35: U5.35
NetU6_2: 
NetU7_2: U7.2
NetU7_3: U7.3
NetU7_6: U7.6
NetU7_25: U7.25
NetU7_28: U7.28
NetU7_31: U7.31
NetU7_35: U7.35
NetU8_2: 
ON/OFF: IC4.2 R12.1 R14.2 U4.27
RTD+1: J1A.3 R2A.1 R2B.1 U1A.4 U1B.4
RTD+2: J1B.3 R2C.1 R2D.1 U1C.4 U1D.4
RTD+3: J1C.3 R2E.1 R2F.1 U1E.4 U1F.4
RTD+4: J1D.3 R2G.1 R2H.1 U1G.4 U1H.4
RTD+5: J1E.3 R2I.1 R2J.1 U1I.4 U1J.4
RTD+6: J1F.3 R2K.1 R2L.1 U1K.4 U1L.4
RTD+7: J1G.3
RTD+8: J1H.3
RTD+9: J1I.3
RTD+10: J1J.3
RTD+11: J1K.3
RTD+12: J1L.3
RTD-1: J1A.2 R4A.1 R4B.1 R5A.1 R5B.1
RTD-2: J1B.2 R4C.1 R4D.1 R5C.1 R5D.1
RTD-3: J1C.2 R4E.1 R4F.1 R5E.1 R5F.1
RTD-4: J1D.2 R4G.1 R4H.1 R5G.1 R5H.1
RTD-5: J1E.2 R4I.1 R4J.1 R5I.1 R5J.1
RTD-6: J1F.2 R4K.1 R4L.1 R5K.1 R5L.1
RTD-7: J1G.2
RTD-8: J1H.2
RTD-9: J1I.2
RTD-10: J1J.2
RTD-11: J1K.2
RTD-12: J1L.2
RTD_GND1: C1A.2 C1B.2 C2A.1 C2B.1 J1A.1 J1A.7 J1A.8 U1A.6 U1B.6
RTD_GND2: C1C.2 C1D.2 C2C.1 C2D.1 J1B.1 J1B.7 J1B.8 U1C.6 U1D.6
RTD_GND3: C1E.2 C1F.2 C2E.1 C2F.1 J1C.1 J1C.7 J1C.8 U1E.6 U1F.6
RTD_GND4: C1G.2 C1H.2 C2G.1 C2H.1 J1D.1 J1D.7 J1D.8 U1G.6 U1H.6
RTD_GND5: C1I.2 C1J.2 C2I.1 C2J.1 J1E.1 J1E.7 J1E.8 U1I.6 U1J.6
RTD_GND6: C1K.2 C1L.2 C2K.1 C2L.1 J1F.1 J1F.7 J1F.8 U1K.6 U1L.6
RTD_GND7: J1G.1 J1G.7 J1G.8
RTD_GND8: J1H.1 J1H.7 J1H.8
RTD_GND9: J1I.1 J1I.7 J1I.8
RTD_GND10: J1J.1 J1J.7 J1J.8
RTD_GND11: J1K.1 J1K.7 J1K.8
RTD_GND12: J1L.1 J1L.7 J1L.8
Vext: C7.1 C8.1 C9.1 C21.1 C22.1 C23.1 C24.2 C29.1 C30.1 C31.1 C32.2 C38.2 C39.2 C40.2 IC5.3 J5.1 ON/OFF_+5.3 R12.2 U4.26 U5.26 U7.26
Vout1: J3.1 U1A.7 U3A.3
Vout2: J3.2 U1C.7 U3C.3
Vout3: J3.3 U1E.7 U3E.3
Vout4: J3.4 U1G.7 U3G.3
Vout5: J3.5 U1I.7 U3I.3
Vout6: J3.6 U1K.7 U3K.3
Vref1: C5A.2 R1B.2 R1D.2 R1F.2 R1H.2 R1J.2 R1L.2 R2B.2 R2D.2 R2F.2 R2H.2 R2J.2 R2L.2 U2A.6
Vref2: C5B.2 R1A.2 R1C.2 R1E.2 R1G.2 R1I.2 R1K.2 R2A.2 R2C.2 R2E.2 R2G.2 R2I.2 R2K.2 U2B.6
Vref3: C5C.2 R9A.3 R9B.3 R9C.3 R9D.3 R9E.3 R9F.3 R9G.3 R9H.3 R9I.3 R9J.3 R9K.3 R9L.3 U2C.6
Vrtd1: J2.1 U1B.7 U3B.3
Vrtd2: J2.2 U1D.7 U3D.3
Vrtd3: J2.3 U1F.7 U3F.3
Vrtd4: J2.4 U1H.7 U3H.3
Vrtd5: J2.5 U1J.7 U3J.3
Vrtd6: J2.6 U1L.7 U3L.3
pads on no net: A1.14 IC1A.7 IC1B.7 IC1C.7 IC2A.7 IC2B.7 IC2C.7 IC3A.7 IC3B.7 IC3C.7 J4.None J5.5 ON/OFF1.MH1 ON/OFF1.MH2 ON/OFF_+5.MH1 ON/OFF_+5.MH2 U5.7 U5.21 U5.22 U5.23 U5.24 U5.38 U5.41 U7.7 U7.21 U7.22 U7.23 U7.24 U7.38 U7.41

## Silkscreen, mask and mechanical layers (free items; w line width, h text height)
Mechanical 1:
  lines w0.254: 79.2,209.52 91.52,209.52 ; 83.48,139.04 83.48,149.54 28.5,149.54 28.5,27.5 83.48,27.5 83.48,38 83.5,38 95.8,38 ; 95.8,27.51 95.8,38 ; 95.81,27.5 150.8,27.5 150.8,149.54 95.82,149.54 95.82,139.02 ; 95.81,37.99 95.8,38

## Text inside footprints (layer, text, board x,y; h text height)
U4: Top Overlay "*" at 152.65,52.31 h1.27
U5: Top Overlay "*" at 200.15,99.81 h1.27
U7: Top Overlay "*" at 200.15,120.31 h1.27